# Altium PCB Audio_Blade_Mic_Array.PcbDoc (part 4 of 4)
Units mil, origin at the board's own origin, x right, y up, seen from the top; angles counter-clockwise.
Board outline 3740.16 x 3740.16 mil, 6 copper layers (Top Layer, Layer 2, Layer 3, Layer 4, Layer 5, Bottom Layer), stack 63.312 mil thick; 192 components, 134 nets, 726 pads, 1409 vias.
Unrouted connection lines stored in the file: 35.
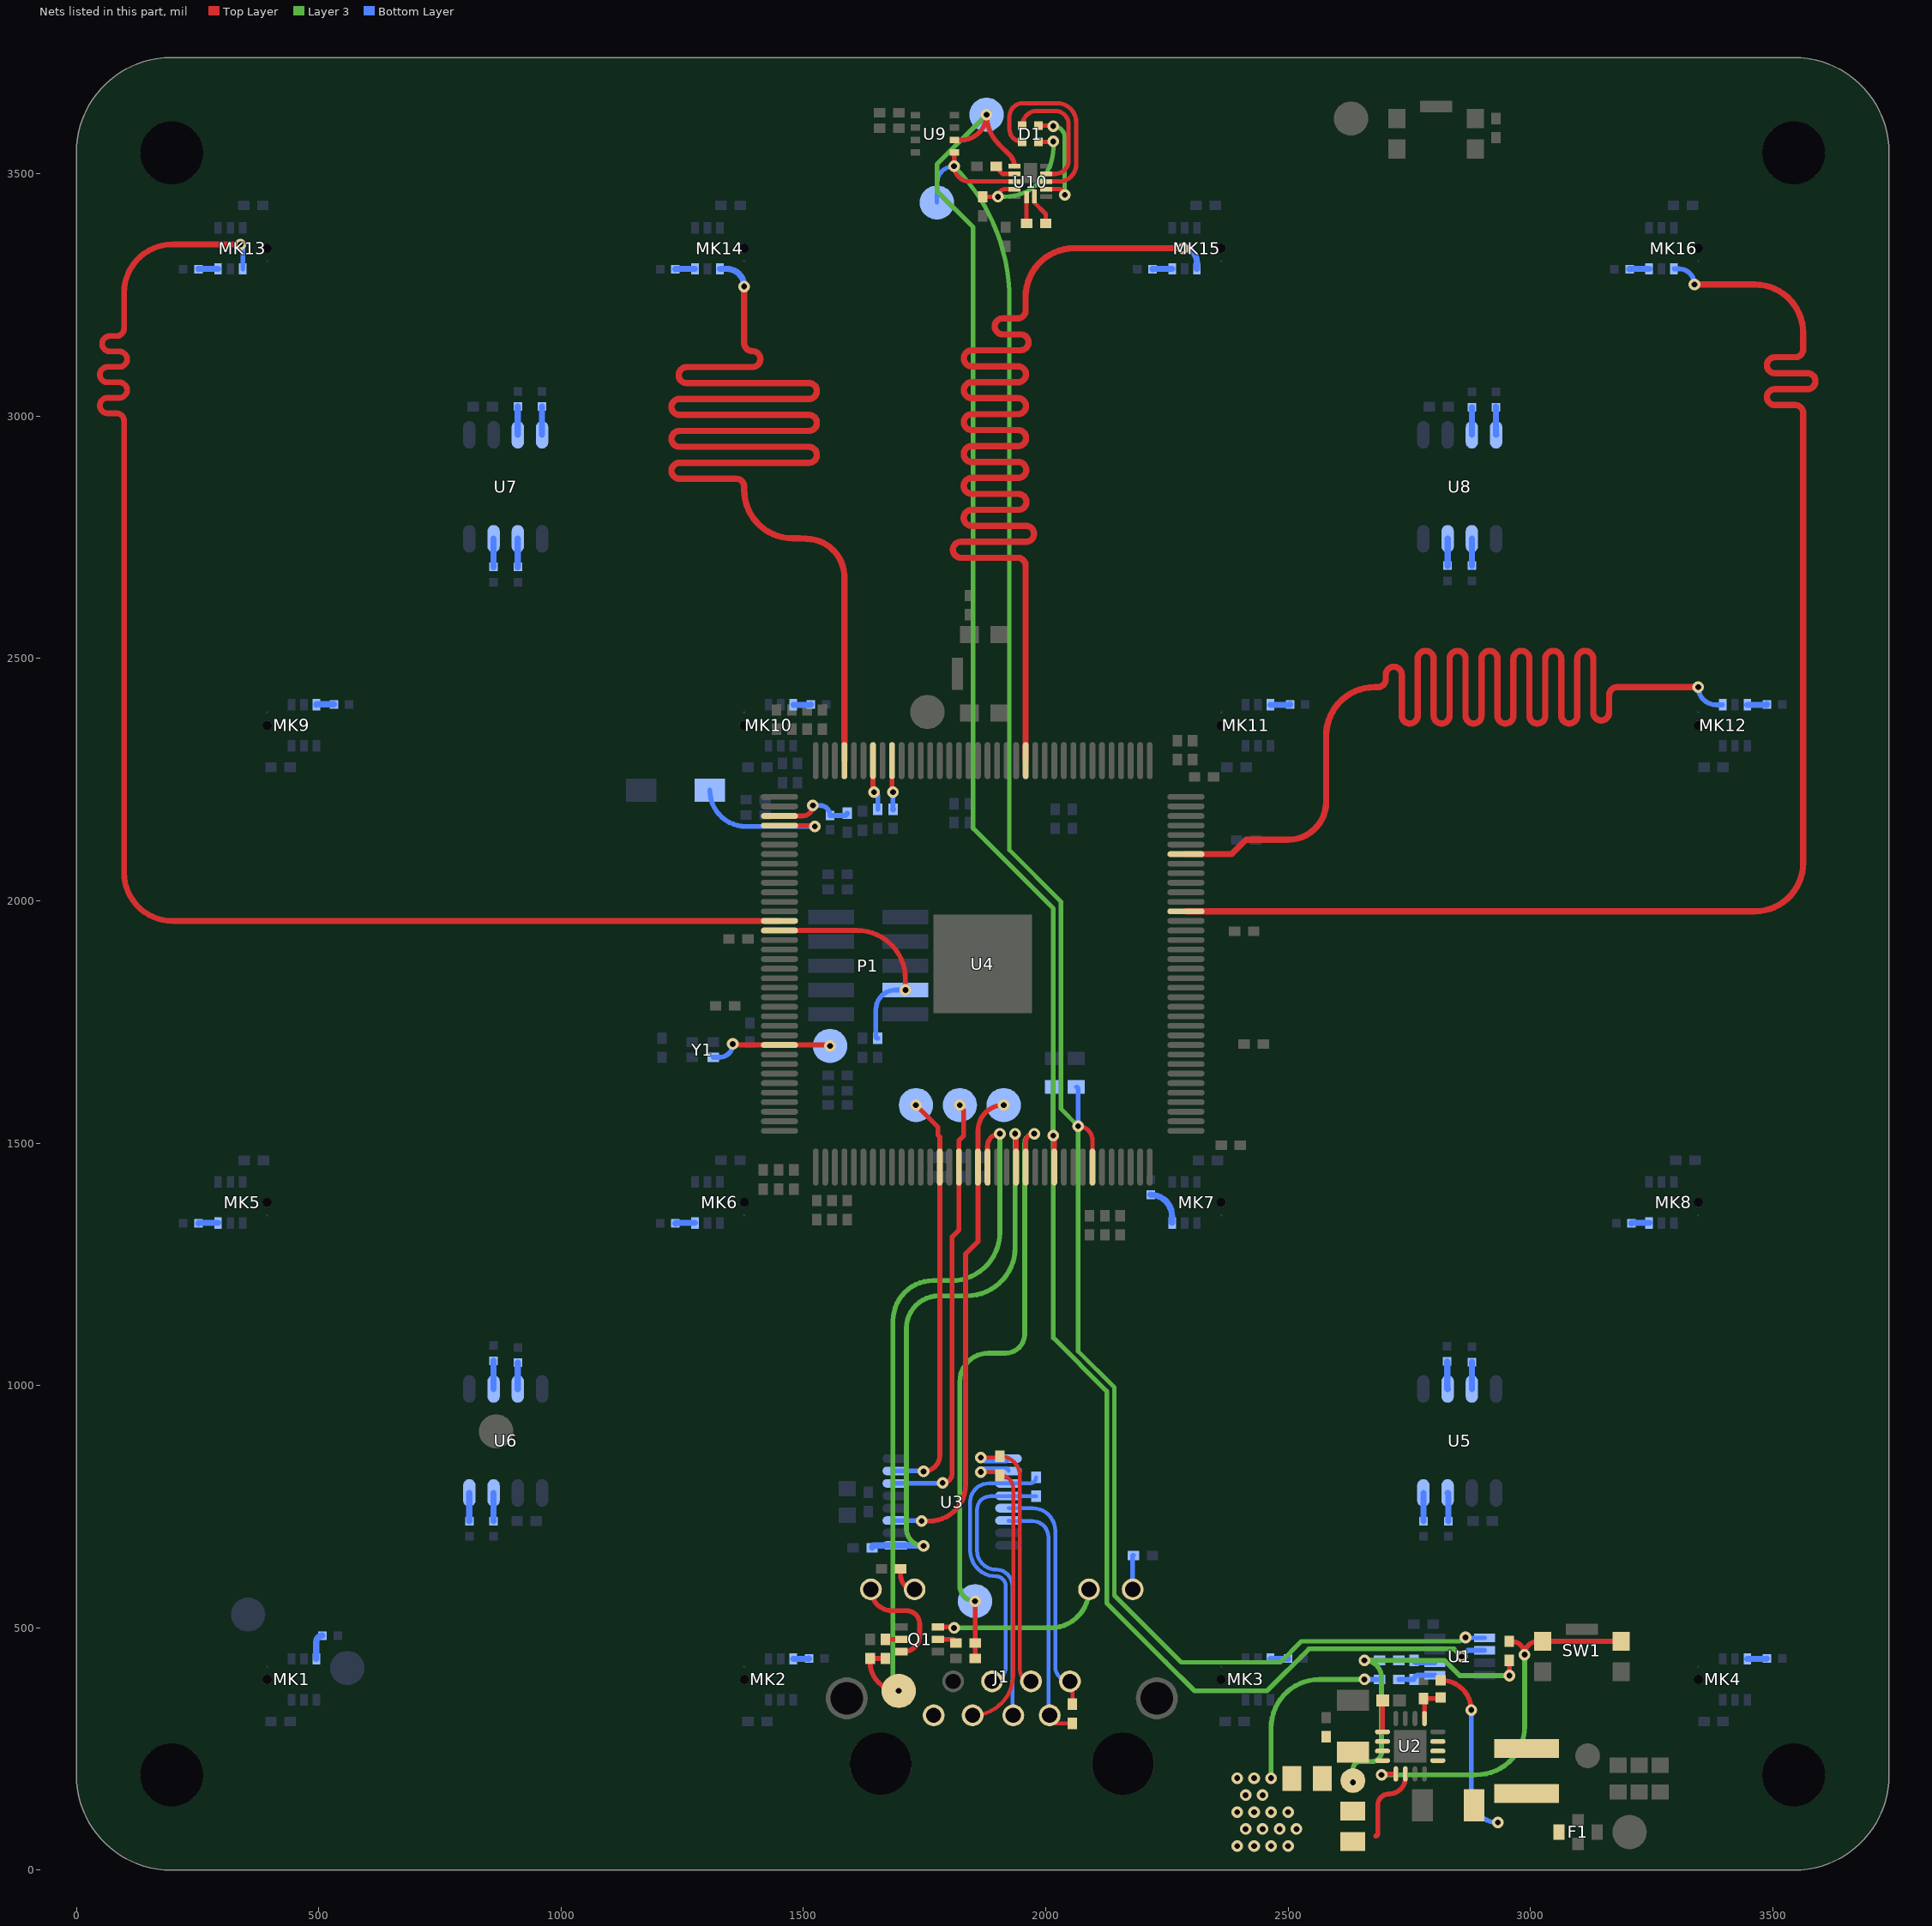
[diagram p8: the nets of this part, all layers, seen from the top]

## Via types
v1: diameter 24, hole 12, Top Layer to Bottom Layer, tented both sides, 1405 vias
v2: diameter 23.62, hole 15.75, Top Layer to Bottom Layer, tented both sides, 3 vias
v3: diameter 24, hole 12, Top Layer to Bottom Layer, 1 vias

## Nets (pads, with @x,y where several pads share a name; then routed paths per layer and width w, separated by ;. In a path a pad name is that pad's centre, name@x,y a point inside that pad or via, vN(x,y) a via of type N, cw(c..) or ccw(c..) an arc to the next point about the centre after c; other vN are vias at no path point) (continued)
MIC_WS_12: MK12.5 U4.102 | length 3188.1
  Top Layer w12.92: U4.102@2289.37,2096.46 2383.86,2096.46 2413.39,2125.98 2500,2125.98 ccw(c2500,2204.72) 2578.74,2204.72 2578.74,2340.94 cw(c2678.74,2340.94) 2678.74,2440.94 2685.2,2440.94 ccw(c2685.2,2457.41) 2701.66,2457.41 2701.66,2466.6 cw(c2718.12,2466.6) 2734.58,2466.6 2734.58,2382.41 ccw(c2751.05,2382.41) 2767.51,2382.41 2767.51,2499.48 cw(c2783.97,2499.48) 2800.43,2499.48 2800.43,2382.41 ccw(c2816.89,2382.41) 2833.35,2382.41 2833.35,2499.48 cw(c2849.81,2499.48) 2866.27,2499.48 2866.27,2382.41 ccw(c2882.73,2382.41) 2899.19,2382.41 2899.19,2499.48 cw(c2915.66,2499.48) 2932.12,2499.48 2932.12,2382.41 ccw(c2948.58,2382.41) 2965.04,2382.41 2965.04,2499.48 cw(c2981.5,2499.48) 2997.96,2499.48 2997.96,2382.41 ccw(c3014.42,2382.41) 3030.88,2382.41 3030.88,2499.48 cw(c3047.34,2499.48) 3063.8,2499.48 3063.8,2382.41 ccw(c3080.27,2382.41) 3096.73,2382.41 3096.73,2499.48 cw(c3113.19,2499.48) 3129.65,2499.48 3129.65,2388.77 ccw(c3146.11,2388.77) 3162.57,2388.77 3162.57,2424.48 cw(c3179.03,2424.48) 3179.03,2440.94 3208.66,2440.94 v1(3346.46,2440.94)
  Bottom Layer w10: v1(3346.46,2440.94) ccw(c3382.87,2440.94) 3382.87,2404.53 MK12.5@3396.65,2404.53
MIC_WS_13: MK13.5 U4.14 | length 3188.9
  Top Layer w11.85: v1(338.58,3354.33) 198.43,3354.33 ccw(c198.43,3254.33) 98.43,3254.33 98.43,3208.66 98.43,3181.3 cw(c82.5,3181.3) 82.5,3165.38 69.15,3165.38 ccw(c69.15,3149.45) 69.15,3133.52 88.78,3133.52 cw(c88.78,3117.6) 88.78,3101.67 64.35,3101.67 ccw(c64.35,3085.74) 64.35,3069.81 88.78,3069.81 cw(c88.78,3053.89) 88.78,3037.96 64.35,3037.96 ccw(c64.35,3022.03) 64.35,3006.11 82.5,3006.11 cw(c82.5,2990.18) 98.43,2990.18 98.43,2984.25 98.43,2058.66 ccw(c198.43,2058.66) 198.43,1958.66 U4.14@1450.79,1958.66
  Bottom Layer w10: v1(338.58,3354.33) cw(c338.58,3349.41) 343.5,3349.41 MK13.5@343.5,3304.13
MIC_WS_14: MK14.5 U4.141 | length 3188.1
  Top Layer w12.92: v1(1377.95,3267.72) 1377.95,3177.17 1377.95,3150.79 ccw(c1394.41,3150.79) 1394.41,3134.33 1394.78,3134.33 cw(c1394.78,3117.87) 1394.78,3101.41 1259.22,3101.41 ccw(c1259.22,3084.95) 1259.22,3068.49 1511.49,3068.49 cw(c1511.49,3052.03) 1511.49,3035.56 1244.41,3035.56 ccw(c1244.41,3019.1) 1244.41,3002.64 1511.49,3002.64 cw(c1511.49,2986.18) 1511.49,2969.72 1244.41,2969.72 ccw(c1244.41,2953.26) 1244.41,2936.8 1511.49,2936.8 cw(c1511.49,2920.34) 1511.49,2903.88 1244.41,2903.88 ccw(c1244.41,2887.41) 1244.41,2870.95 1361.49,2870.95 cw(c1361.49,2854.49) 1377.95,2854.49 1377.95,2848.03 ccw(c1477.95,2848.03) 1477.95,2748.03 1492.13,2748.03 cw(c1492.13,2653.54) 1505.73,2747.05 cw(c1505.73,2668.13) 1584.45,2673.64 cw(c1505.73,2668.13) 1584.65,2668.13 U4.141@1584.65,2289.37
  Bottom Layer w12.92: MK14.5@1327.76,3304.13 1341.54,3304.13 cw(c1341.54,3267.72) v1(1377.95,3267.72)
MIC_WS_15: MK15.5 U4.122 | length 3188.1
  Top Layer w12.92: U4.122@1958.66,2289.37 1958.66,2685.04 1958.66,2691.5 ccw(c1942.2,2691.5) 1942.2,2707.96 1825.12,2707.96 cw(c1825.12,2724.42) 1825.12,2740.88 1959.53,2740.88 ccw(c1959.53,2757.34) 1959.53,2773.81 1847.33,2773.81 cw(c1847.33,2790.27) 1847.33,2806.73 1943.75,2806.73 ccw(c1943.75,2823.19) 1943.75,2839.65 1847.37,2839.65 cw(c1847.37,2856.11) 1847.37,2872.57 1943.43,2872.57 ccw(c1943.43,2889.03) 1943.43,2905.49 1847.43,2905.49 cw(c1847.43,2921.95) 1847.43,2938.42 1943.19,2938.42 ccw(c1943.19,2954.88) 1943.19,2971.34 1847.53,2971.34 cw(c1847.53,2987.8) 1847.53,3004.26 1943.01,3004.26 ccw(c1943.01,3020.72) 1943.01,3037.18 1847.59,3037.18 cw(c1847.59,3053.64) 1847.59,3070.1 1942.88,3070.1 ccw(c1942.88,3086.56) 1942.88,3103.03 1847.59,3103.03 cw(c1847.59,3119.49) 1847.59,3135.95 1948.21,3135.95 ccw(c1948.21,3152.41) 1948.21,3168.87 1911.33,3168.87 cw(c1911.33,3185.33) 1911.33,3201.79 1942.2,3201.79 ccw(c1942.2,3218.25) 1958.66,3218.25 1958.66,3246.46 cw(c2058.66,3246.46) 2058.66,3346.46 v1(2283.46,3346.46)
  Bottom Layer w12.92: v1(2283.46,3346.46) cw(c2283.46,3317.91) 2312.01,3317.91 MK15.5@2312.01,3304.13
MIC_WS_16: MK16.5 U4.96 | length 3060.4
  Top Layer w12.92: U4.96@2289.37,1978.35 3462.99,1978.35 ccw(c3462.99,2078.35) 3562.99,2078.35 3562.99,3000 3562.99,3006.46 ccw(c3546.53,3006.46) 3546.53,3022.92 3504.45,3022.92 cw(c3504.45,3039.38) 3504.45,3055.84 3571.79,3055.84 ccw(c3571.79,3072.31) 3571.79,3088.77 3504.45,3088.77 cw(c3504.45,3105.23) 3504.45,3121.69 3546.53,3121.69 ccw(c3546.53,3138.15) 3562.99,3138.15 3562.99,3171.65 ccw(c3462.99,3171.65) 3462.99,3271.65 v1(3338.58,3271.65)
  Bottom Layer w10: MK16.5@3296.26,3304.13 3306.1,3304.13 cw(c3306.1,3271.65) v1(3338.58,3271.65)
NetC2_1: C2.1 R4.2 U1.1 | length 79.9
  Bottom Layer w10: R4.2@2728.35,393.7 C2.1@2759.84,393.7 cw(c2768.7,393.7) 2768.7,402.56 U1.1@2803.15,402.56
NetC2_2: C2.2 R5.2 U1.2 | length 77.6
  Bottom Layer w10: R5.2@2728.35,433.07 C2.2@2759.84,433.07 ccw(c2764.76,433.07) 2764.76,428.15 U1.2@2803.15,428.15
NetC3_2: C3.2 C4.2 R3.1 R5.1 R6.1 R8.2 TP2.1 U2.10 U2.11 U2.12 | length 695.2
  Top Layer w10: v1(2633.86,181.1) TP2.1@2633.86,185.04 ; v3(2956.69,401.57) R8.2@2956.69,433.07
  Layer 3 w10: v1(2633.86,181.1) 2633.86,208.66 cw(c2649.61,208.66) 2649.61,224.41 2673.23,224.41 ccw(c2673.23,244.09) 2692.91,244.09 2692.91,397.64 ccw(c2657.48,397.64) v1(2657.48,433.07) 2822.83,433.07 2854.33,401.57 v3(2956.69,401.57)
  Bottom Layer w10: v1(2657.48,433.07) R5.1@2688.98,433.07
NetC5_2: C5.2 F1.1 L1.2 R3.2 R9.2 U2.14 | length 524.4
  Top Layer w10: 2681.1,70.87 ccw(c2681.1,74.8) 2685.04,74.8 2685.04,133.86 cw(c2708.66,133.86) 2708.66,157.48 ccw(c2708.66,190.94) 2742.13,190.94 U2.14@2742.13,198.82 ; R9.2@2814.96,391.73 2816.92,391.73 cw(c2816.92,330.71) v1(2877.95,330.71)
  Bottom Layer w10: v1@2877.95,330.7 2877.95,153.54 ccw(c2933.07,153.54) v1(2933.07,98.43)
NetC9_2: C9.2 U2.9 | length 65.1
  Top Layer w10: U2.9@2694.88,285.43 2694.88,350 C9.2@2695.28,350.39
NetC57_1: C57.1 R43.2 U4.3 | length 166.7
  Top Layer w10: U4.3@1450.79,2175.2 1498.03,2175.2 ccw(c1498.03,2196.85) v1(1519.68,2196.85)
  Bottom Layer w10: v1(1519.68,2196.85) 1534.45,2196.85 cw(c1534.45,2176.18) R43.2@1555.12,2176.18 1585.63,2176.18 ccw(c1585.63,2181.1) C57.1@1590.55,2181.1
NetC66_1: C66.1 U10.1 | length 65.5
  Top Layer w9: U10.1@1976.38,3453.35 1976.8,3452.93 1976.8,3440.52 2000,3417.32 C66.1@2000,3397.64
NetC66_2: C66.2 U10.12 | length 53.7
  Top Layer w9: C66.2@1960.63,3397.64 U10.12@1960.63,3451.38
NetC68_1: C68.1 D1.4 U10.10 | length 291
  Top Layer w9: C68.1@1870.08,3452.76 v1(1901.57,3452.76) cw(c1917.32,3452.76) 1917.32,3468.5 U10.10@1935.63,3468.5 ; D1.4@1985.24,3565.94 2014.76,3565.94 ccw(c2014.76,3566.93) v1(2015.75,3566.93)
  Layer 3 w9: v1(1901.57,3452.76) 1915.75,3452.76 ccw(c1915.75,3552.76) 2015.75,3552.76 v1(2015.75,3566.93)
NetD1_1: D1.1 U10.4 | length 411.8
  Top Layer w9: D1.1@1951.77,3565.94 cw(c1951.77,3592.52) 1925.2,3592.52 1925.2,3618.11 cw(c1952.76,3618.11) 1952.76,3645.67 2023.62,3645.67 cw(c2023.62,3606.3) 2062.99,3606.3 2062.99,3519.69 cw(c2027.56,3519.69) 2027.56,3484.25 U10.4@2001.38,3484.25
NetD1_2: D1.2 U10.5 | length 265
  Top Layer w9: D1.2@1951.77,3599.41 cw(c1982.28,3599.41) 1982.28,3629.92 2019.68,3629.92 cw(c2019.68,3602.36) 2047.24,3602.36 2047.24,3527.56 cw(c2019.68,3527.56) 2019.68,3500 U10.5@2001.38,3500
NetD1_3: D1.3 U10.3 | length 231
  Top Layer w9: D1.3@1985.24,3599.41 2014.76,3599.41 cw(c2014.76,3598.43) v1(2015.75,3598.43) ; U10.3@2001.38,3468.5 2027.56,3468.5 cw(c2027.56,3456.69) v1(2039.37,3456.69)
  Layer 3 w9: v1(2015.75,3598.43) cw(c2015.75,3574.8) 2039.37,3574.8 v1(2039.37,3456.69)
NetFB1_2: FB1.2 U4.4 | length 333.2
  Top Layer w10: U4.4@1450.79,2155.51 1521.65,2155.51 cw(c1521.65,2153.54) v1(1523.62,2153.54)
  Bottom Layer w10: FB1.2@1307.09,2228.35 ccw(c1381.89,2228.35) 1381.89,2153.54 v1(1523.62,2153.54)
NetJ1_9: J1.9 R7.1 | length 71
  Bottom Layer w10: J1.9@2179.53,579.53 2179.53,648.03 cw(c2181.1,648.03) R7.1@2181.1,649.61
NetJ1_10: J1.10 Q1.6 | length 358.3
  Top Layer w10: Q1.6@1777.56,501.97 1809.05,501.97 cw(c1809.05,500) v1(1811.02,500)
  Layer 3 w10: v1(1811.02,500) 2009.84,500 ccw(c2009.84,579.53) J1.10@2089.37,579.53
NetJ1_11: J1.11 R10.1 | length 58.9
  Top Layer w10: R10.1@1700.79,622.05 1700.79,608.27 ccw(c1729.53,608.27) J1.11@1729.53,579.53
NetJ1_12: J1.12 Q1.3 | length 221.8
  Top Layer w10: J1.12@1639.37,579.53 ccw(c1683.46,579.53) 1683.46,535.43 1712.6,535.43 cw(c1712.6,507.87) 1740.16,507.87 1740.16,484.25 cw(c1706.69,484.25) 1706.69,450.79 Q1.3@1702.76,450.79
NetL1_1: L1.1 U2.1 U2.2 U2.3
NetMK1_7: MK1.7 R44.2 | length 55.5
  Bottom Layer w12.92: MK1.7@495.08,436.02 495.08,471.46 cw(c507.87,471.46) R44.2@507.87,484.25
NetMK2_7: MK2.7 R45.2 | length 33
  Bottom Layer w12.92: MK2.7@1479.33,436.02 1510.83,436.02 ccw(c1510.83,437.01) R45.2@1511.81,437.01
NetMK3_7: MK3.7 R46.2 | length 37
  Bottom Layer w12.92: MK3.7@2463.58,436.02 2499.02,436.02 ccw(c2499.02,437.01) R46.2@2500,437.01
NetMK4_7: MK4.7 R47.2 | length 40.9
  Bottom Layer w11.85: R47.2@3487.2,436.02 ccw(c3487.2,437.01) R47.2@3488.19,437.01
  Bottom Layer w12.92: MK4.7@3447.83,436.02 R47.2@3487.2,436.02
NetMK5_7: MK5.7 R48.2 | length 40.9
  Bottom Layer w12.92: R48.2@251.97,1334.65 cw(c252.95,1334.65) 252.95,1335.63 MK5.7@292.32,1335.63
NetMK6_7: MK6.7 R49.2 | length 40.6
  Bottom Layer w12.92: R49.2@1236.22,1334.65 cw(c1238.6,1332.27) 1238.6,1335.63 MK6.7@1276.57,1335.63
NetMK7_7: MK7.7 R50.2 | length 83.4
  Bottom Layer w12.92: R50.2@2216.54,1393.7 cw(c2216.54,1349.41) 2260.83,1349.41 MK7.7@2260.83,1335.63
NetMK8_7: MK8.7 R51.2 | length 37
  Bottom Layer w12.92: R51.2@3208.66,1334.65 cw(c3209.65,1334.65) 3209.65,1335.63 MK8.7@3245.08,1335.63
NetMK9_7: MK9.7 R52.2 | length 37
  Bottom Layer w11.85: MK9.7@495.08,2404.53 cw(c496.06,2404.53) MK9.7@496.06,2405.51
  Bottom Layer w12.92: MK9.7@496.06,2405.51 R52.2@531.5,2405.51
NetMK10_7: MK10.7 R54.2 | length 37
  Bottom Layer w11.85: MK10.7@1479.33,2404.53 1514.76,2404.53 ccw(c1514.76,2405.51) R54.2@1515.75,2405.51
NetMK11_7: MK11.7 R55.2 | length 40.9
  Bottom Layer w12.92: MK11.7@2463.58,2404.53 2502.95,2404.53 ccw(c2502.95,2405.51) R55.2@2503.94,2405.51
NetMK12_7: MK12.7 R56.2 | length 40.9
  Bottom Layer w12.92: MK12.7@3447.83,2404.53 3487.2,2404.53 ccw(c3487.2,2405.51) R56.2@3488.19,2405.51
NetMK13_7: MK13.7 R57.2 | length 40.9
  Bottom Layer w12.92: R57.2@251.97,3303.15 cw(c252.95,3303.15) 252.95,3304.13 MK13.7@292.32,3304.13
NetMK14_7: MK14.7 R58.2 | length 40.9
  Bottom Layer w12.92: R58.2@1236.22,3303.15 cw(c1237.2,3303.15) 1237.2,3304.13 MK14.7@1276.57,3304.13
NetMK15_7: MK15.7 R59.2 | length 40.9
  Bottom Layer w12.92: R59.2@2220.47,3303.15 cw(c2221.46,3303.15) 2221.46,3304.13 MK15.7@2260.83,3304.13
NetMK16_7: MK16.7 R60.2 | length 40.9
  Bottom Layer w12.92: R60.2@3204.72,3303.15 cw(c3205.71,3303.15) 3205.71,3304.13 MK16.7@3245.08,3304.13
NetP1_7: P1.7 R29.1 U4.15 | length 485.2
  Top Layer w10: U4.15@1450.79,1938.98 1610.63,1938.98 cw(c1610.63,1838.98) 1710.63,1838.98 v1(1710.63,1816.14)
  Bottom Layer w10: R29.1@1653.54,1716.54 cw(c1653.54,1720.47) 1649.61,1720.47 1649.61,1775.59 cw(c1690.16,1775.59) 1690.16,1816.14 v1(1710.63,1816.14)
NetQ1_2: Q1.2 R2.1 | length 33.5
  Top Layer w10: R2.1@1669.29,476.38 Q1.2@1702.76,476.38
NetQ1_5: Q1.5 R13.1 | length 41.9
  Top Layer w10: Q1.5@1777.56,476.38 1807.09,476.38 cw(c1807.09,468.5) R13.1@1814.96,468.5
NetR1_1: R1.1 R2.2 TP10.1 U4.55 | length 1514.1
  Top Layer w10: R2.2@1669.29,437.01 R1.1@1637.8,437.01 1637.8,429.13 ccw(c1696.85,429.13) v1(1696.85,370.08) ; U4.55@1879.92,1450.79 1879.92,1494.09 cw(c1905.51,1494.09) v1(1905.51,1519.68)
  Layer 3 w10: v1(1696.85,370.08) cw(c1696.85,381.89) 1685.04,381.89 1685.04,1133.86 cw(c1767.72,1133.86) 1767.72,1216.54 1805.51,1216.54 ccw(c1805.51,1316.54) 1905.51,1316.54 v1(1905.51,1519.68)
NetR8_1: R8.1 SW1.1 SW1.4 U2.13 | length 792.2
  Top Layer w10: v1(2692.91,196.85) cw(c2697.67,192.1) 2697.67,198.82 U2.13@2722.44,198.82 ; R8.1@2956.69,472.44 2960.63,472.44 cw(c2960.63,444.88) v1(2988.19,444.88) cw(c3015.75,444.88) 3015.75,472.44 SW1.1@3025.59,472.44 SW1.4@3187.01,472.44
  Layer 3 w10: v1(2692.91,196.85) 2888.19,196.85 ccw(c2888.19,296.85) 2988.19,296.85 v1(2988.19,444.88)
NetR9_1: R9.1 R11.2 U2.5 | length 78.4
  Top Layer w10: U2.5@2781.5,312.99 2781.5,352.36 R11.2@2779.53,354.33 2812.99,354.33 R9.1@2814.96,356.3
NetR13_2: R13.2 R15.2 TP11.1 U4.59 | length 1282.5
  Top Layer w10: R15.2@1854.33,437.01 R13.2@1854.33,468.5 v1(1854.33,555.12) ; U4.59@1958.66,1450.79 1958.66,1501.97 cw(c1976.38,1501.97) v1(1976.38,1519.68)
  Layer 3 w10: v1(1854.33,555.12) cw(c1854.33,586.61) 1822.83,586.61 1822.83,1007.87 cw(c1881.89,1007.87) 1881.89,1066.93 1917.32,1066.93 ccw(c1917.32,1106.3) 1956.69,1106.3 1956.69,1500 cw(c1976.38,1500) v1(1976.38,1519.68)
NetR17_2: R17.2 U3.9 U4.58 | length 1203.1
  Top Layer w10: v1(1937.01,1519.68) cw(c1937.01,1517.72) 1938.98,1517.72 U4.58@1938.98,1450.79
  Layer 3 w10: v1(1748.03,669.29) cw(c1748.03,704.72) 1712.6,704.72 1712.6,1118.11 cw(c1779.53,1118.11) 1779.53,1185.04 1837.01,1185.04 ccw(c1837.01,1285.04) 1937.01,1285.04 v1(1937.01,1519.68)
  Bottom Layer w12.92: R17.2@1641.73,665.35 cw(c1646.65,665.35) 1646.65,670.28 U3.9@1690.94,670.28 1747.05,670.28 cw(c1747.05,669.29) v1(1748.03,669.29)
NetR19_1: R19.1 U4.136 | length 101.5
  Top Layer w10: U4.136@1683.07,2289.37 1683.07,2226.38 ccw(c1685.04,2226.38) v1(1685.04,2224.41)
  Bottom Layer w10: R19.1@1685.04,2188.98 v1(1685.04,2224.41)
NetR20_1: R20.1 U4.138 | length 106
  Top Layer w10: v1@1643.7,2226.38 U4.138@1643.7,2289.37
  Top Layer w12.92: v1@1643.7,2226.38 ccw(c1645.67,2226.38) v1(1645.67,2224.41)
  Bottom Layer w10: v1(1645.67,2224.41) cw(c1645.67,2216.54) 1653.54,2216.54 R20.1@1653.54,2188.98
NetR22_2: R22.2 U5.2 | length 57.3
  Bottom Layer w12.92: R22.2@2828.05,1049.9 2828.69,1049.26 2828.69,993.75 U5.2@2829.33,993.11
NetR23_2: R23.2 U5.3 | length 55.5
  Bottom Layer w12.92: U5.3@2879.33,993.11 R23.2@2879.33,1048.62
NetR24_2: R24.2 U5.7 | length 58.9
  Bottom Layer w12.92: U5.7@2829.33,778.54 cw(c2829.33,777.17) 2830.71,777.17 R24.2@2830.71,720.47
NetR25_2: R25.2 U5.8 | length 58.3
  Bottom Layer w12.92: U5.8@2779.33,778.54 2779.53,778.54 R25.2@2779.53,720.47
NetR26_2: R26.2 U6.2 | length 58.1
  Bottom Layer w12.92: U6.2@860.83,993.11 R26.2@860.83,1051.18
NetR30_2: R30.2 U6.3 | length 54.1
  Bottom Layer w12.92: U6.3@910.83,993.11 R30.2@910.83,1047.24
NetR31_2: R31.2 U6.7 | length 58.1
  Bottom Layer w12.92: R31.2@860.83,720.47 U6.7@860.83,778.54
NetR32_2: R32.2 U6.8 | length 58.1
  Bottom Layer w12.92: R32.2@810.83,720.47 U6.8@810.83,778.54
NetR33_2: R33.2 U7.2 | length 58.1
  Bottom Layer w12.92: R33.2@910.83,2688.98 U7.2@910.83,2747.05
NetR34_2: R34.2 U7.3 | length 58.1
  Bottom Layer w12.92: R34.2@860.83,2688.98 U7.3@860.83,2747.05
NetR35_2: R35.2 U7.7 | length 58.1
  Bottom Layer w12.92: U7.7@910.83,2961.61 R35.2@910.83,3019.68
NetR36_2: R36.2 U7.8 | length 58.1
  Bottom Layer w12.92: U7.8@960.83,2961.61 R36.2@960.83,3019.68
NetR37_2: R37.2 U8.2 | length 55.5
  Bottom Layer w12.92: R37.2@2879.33,2691.54 U8.2@2879.33,2747.05
NetR38_2: R38.2 U8.3 | length 55.5
  Bottom Layer w12.92: R38.2@2829.33,2691.54 U8.3@2829.33,2747.05
NetR39_2: R39.2 U8.7 | length 56.7
  Bottom Layer w12.92: U8.7@2879.33,2961.61 R39.2@2879.33,3018.31
NetR40_2: R40.2 U8.8 | length 58.3
  Bottom Layer w12.92: R40.2@2929.13,3019.68 2929.13,2961.61 U8.8@2929.33,2961.61
NetR53_2: R53.2 U10.8 | length 47.4
  Top Layer w9: R53.2@1897.64,3515.75 1899.61,3515.75 1904.95,3510.41 1904.95,3505.46 1910.41,3500 U10.8@1935.63,3500
NetTP7_1: TP7.1 U4.27 Y1.3 | length 259.1
  Top Layer w10: v1(1354.33,1704.72) ccw(c1356.3,1704.72) 1356.3,1702.76 U4.27@1450.79,1702.76 1553.15,1702.76 cw(c1553.15,1700.79) v1(1555.12,1700.79)
  Bottom Layer w10: Y1.3@1313.98,1677.17 1326.77,1677.17 ccw(c1326.77,1704.72) v1(1354.33,1704.72)
RJ45_SCK: TP4.1 U3.15 U4.50 | length 853
  Top Layer w10: v1(1732.28,1578.74) 1777.81,1533.21 1777.81,1516.43 1781.5,1512.75 U4.50@1781.5,1450.79 1781.5,856.3 cw(c1748.03,856.3) v1(1748.03,822.83)
  Bottom Layer w10: U3.15@1690.94,823.82 1747.05,823.82 cw(c1747.05,822.83) v1(1748.03,822.83)
RJ45_SCK_n: J1.6 R12.2 U3.1 | length 607.1
  Top Layer w7.96: v1(1866.14,851.61) 1902.8,851.61 ccw(c1902.8,854.33) R12.2@1905.51,854.33 cw(c1905.51,812.81) 1947.03,812.81 1947.03,767.58 1947.03,412.42 ccw(c1969.68,412.42) J1.6@1969.68,389.76
  Bottom Layer w7.96: v1(1866.14,851.61) ccw(c1874.16,851.61) 1874.16,843.59 1917.41,843.59 ccw(c1917.41,849.41) U3.1@1923.23,849.41
RJ45_SCK_p: J1.3 R12.1 U3.2 | length 667
  Top Layer w7.96: J1.3@1849.21,319.69 ccw(c1849.21,403.54) 1933.07,403.54 1933.07,787.4 ccw(c1905.51,787.4) R12.1@1905.51,814.96 ccw(c1898.86,814.96) 1898.86,821.61 v1(1866.14,821.61)
  Bottom Layer w7.96: v1(1866.14,821.61) cw(c1874.16,821.61) 1874.16,829.63 1917.41,829.63 cw(c1917.41,823.82) U3.2@1923.23,823.82
RJ45_SDI: TP5.1 U3.14 U4.52 | length 900.8
  Top Layer w10: v1(1787.4,799.21) ccw(c1787.4,818.9) 1807.09,818.9 1807.09,1307.09 1820.87,1320.87 U4.52@1820.87,1450.79 1820.87,1505.81 1830.71,1515.65 1830.71,1567.08 1822.83,1574.95 v1(1822.83,1578.74)
  Bottom Layer w10: U3.14@1690.94,798.23 1786.42,798.23 ccw(c1786.42,799.21) v1(1787.4,799.21)
RJ45_SDI_n: J1.5 R14.1 U3.4 | length 606
  Bottom Layer w7.96: J1.5@1933.07,319.69 cw(c1933.07,321.47) 1931.28,321.47 1931.28,586.61 ccw(c1897.64,586.61) 1897.64,620.26 cw(c1897.64,659.63) 1858.27,659.63 1858.27,744.09 cw(c1885.83,744.09) 1885.83,771.65 1922.24,771.65 ccw(c1922.24,772.64) U3.4@1923.23,772.64 ccw(c1924.21,772.64) 1924.21,771.65 R14.1@1980.32,771.65
RJ45_SDI_p: J1.4 R14.2 U3.3 | length 593
  Bottom Layer w7.96: J1.4@1889.37,389.76 ccw(c1889.37,417.72) 1917.32,417.72 1917.32,586.61 ccw(c1897.64,586.61) 1897.64,606.3 cw(c1897.64,659.63) 1844.31,659.63 1844.31,759.93 cw(c1882.6,759.93) 1882.6,798.23 U3.3@1923.23,798.23 1967.52,798.23 ccw(c1967.52,811.02) R14.2@1980.32,811.02
RJ45_SDO: TP6.1 U3.11 U4.54 | length 1011.5
  Top Layer w10: v1(1744.09,720.47) 1760.24,720.47 ccw(c1760.24,794.88) 1834.65,794.88 1834.65,1271.65 1860.24,1297.24 U4.54@1860.24,1450.79 1860.24,1525.59 cw(c1913.39,1525.59) v1(1913.39,1578.74)
  Bottom Layer w10: U3.11@1690.94,721.46 1743.11,721.46 cw(c1743.11,720.47) v1(1744.09,720.47)
RJ45_SDO_n: J1.8 R16.2 U3.5 | length 501.2
  Top Layer w7.96: J1.8@2050,389.76 cw(c2050,384.65) 2055.12,384.65 R16.2@2055.12,342.52
  Bottom Layer w7.96: U3.5@1923.23,747.05 1972.95,747.05 cw(c1972.95,700.31) 2019.69,700.31 2019.68,420.08 ccw(c2050,420.08) J1.8@2050,389.76
RJ45_SDO_p: J1.7 R16.1 U3.6 | length 527.3
  Top Layer w7.96: J1.7@2008.27,319.69 ccw(c2024.8,319.69) 2024.8,303.15 R16.1@2055.12,303.15
  Bottom Layer w7.96: U3.6@1923.23,721.46 ccw(c1924.21,721.46) 1924.21,720.47 1972.44,720.47 cw(c1972.44,687.19) 2005.73,687.19 2005.73,322.23 ccw(c2008.27,322.23) J1.7@2008.27,319.69
SCL: R41.1 TP16.1 U1.5 U4.66 U9.4 U10.9 | length 4362.8
  Top Layer w9: v1(1811.02,3515.75) ccw(c1842.52,3515.75) 1842.52,3484.25 U10.9@1935.63,3484.25 ; v1(2066.93,1535.43) cw(c2066.93,1505.91) 2096.46,1505.91 U4.66@2096.46,1450.79
  Top Layer w10: v1(1811.02,3515.75) 1811.02,3543.31 cw(c1812.01,3543.31) U9.4@1812.01,3544.29
  Layer 3 w9: v1(1811.02,3515.75) cw(c1535.39,3240.11) 1925.2,3240.11 1925.2,2104.72 2031.5,1998.43 2031.5,1570.87 v1(2066.93,1535.43) 2066.93,1070.87 2141.48,996.31 2141.48,567.18 2279.53,429.13 2484.25,429.13 2527.56,472.44 2854.21,472.44 2862.08,480.32 v1(2866.14,480.32)
  Bottom Layer w9: TP16.1@1775.59,3440.94 1775.59,3480.32 cw(c1811.02,3480.32) v1(1811.02,3515.75) ; R41.1@2062.99,1616.14 cw(c2062.99,1612.2) 2066.93,1612.2 v1(2066.93,1535.43) ; v1(2866.14,480.32) ccw(c2867.13,480.32) 2867.13,479.33 U1.5@2905.51,479.33
SDA: R42.1 TP15.1 U1.6 U4.62 U9.3 U10.7 | length 4547.7
  Top Layer w10: U9.3@1812.01,3569.88 1825.79,3569.88 ccw(c1825.79,3622.05) v1(1877.95,3622.05) ccw(c1963.5,3622.05) 1903.01,3561.56 1926.3,3538.26 cw(c1903.79,3515.75) U10.7@1935.63,3515.75 ; v1(2015.75,1515.75) 2017.72,1513.78 U4.62@2017.72,1450.79
  Layer 3 w10: v1(1877.95,3622.05) 1775.59,3519.69 1775.59,3464.57 1850.39,3389.76 1850.39,2149.61 2015.75,1984.25 v1(2015.75,1515.75) 2015.75,1098.43 2125.98,988.19 2125.98,551.18 2248.03,429.13 2307.09,370.08 2456.69,370.08 2543.31,456.69 2842.52,456.69 v1(2858.27,440.94)
  Bottom Layer w10: v1(2015.75,1515.75) R42.1@2015.75,1616.14 ; v1(2858.27,440.94) 2871.06,453.74 U1.6@2905.51,453.74
VDD_IN: J1.1 R4.1 R6.2 | length 384.8
  Layer 3 w10: v1(2465,190) 2465,293.7 cw(c2565,293.7) 2565,393.7 v1(2657.48,393.7)
  Bottom Layer w10: v1(2657.48,393.7) R4.1@2688.98,393.7
  other v1: 2395,50 2430,50 2465,50 2500,50 2412.5,85 2447.5,85 2482.5,85 2517.5,85 2395,120 2430,120 2465,120 2500,120 2412.5,155 2447.5,155 2395,190 2430,190
pads on no net: J1.14 MK1.1 MK1.None MK2.1 MK2.None MK3.1 MK3.None MK4.1 MK4.None MK5.1 MK5.None MK6.1 MK6.None MK7.1 MK7.None MK8.1 MK8.None MK9.1 MK9.None MK10.1 MK10.None MK11.1 MK11.None MK12.1 MK12.None MK13.1 MK13.None MK14.1 MK14.None MK15.1 MK15.None MK16.1 MK16.None P1.8 SW1.5 SW2.5 SW3.5 U2.4 U3.7 U3.8 U3.10 U4.5 U4.10 U4.12 U4.13 U4.17 U4.21 U4.22 U4.24 U4.26 U4.28 U4.29 U4.39 U4.44 U4.45 U4.47 U4.48 U4.56 U4.61 U4.64 U4.65 U4.69 U4.70 U4.75 U4.77 U4.79 U4.81 U4.85 U4.86 U4.93 U4.97 U4.99 U4.101 U4.105 U4.110 U4.111 U4.112 U4.113 U4.114 U4.118 U4.120 U4.123 U4.124 U4.126 U4.127 U4.130 U4.131 U4.132 U4.134 U5.5 U6.5 U7.5 U8.5 Y1.1

## Polygon pours and split planes (outlines as drawn)
GND on Top Layer "GND_Top_Layer_6" (solid, pour order 14): 0,196.85 0,3543.31 cw(c196.85,3543.31) 196.85,3740.16 3543.31,3740.16 cw(c3543.31,3543.31) 3740.16,3543.31 3740.16,196.85 cw(c3543.31,196.85) 3543.31,0 196.85,0 cw(c196.85,196.85)
VDD_IN on Top Layer "VDD_IN_Top_5" (solid, pour order 12): 2531.5,0 2531.5,196.85 ccw(c2492.13,196.85) 2492.13,236.22 2401.57,236.22 ccw(c2401.57,196.85) 2362.2,196.85 2362.2,0
+3V1_SYS on Top Layer "+3V1_SYS_Top_1" (solid, pour order 11): 3122.05,0 3122.05,157.48 cw(c3149.61,157.48) 3149.61,185.04 3417.32,185.04 cw(c3417.32,137.8) 3464.57,137.8 3464.57,0
NetC5_2 on Top Layer "NetC5_2_Top_3" (solid, pour order 10): 2555.12,82.68 2834.65,82.68 2834.65,161.42 cw(c2854.33,161.42) 2854.33,181.1 3051.18,181.1 cw(c3051.18,157.48) 3074.8,157.48 3074.8,0 2543.31,0 2543.31,70.87 cw(c2555.12,70.87)
NetC3_2 on Top Layer "NetC3_2_Top_2" (solid, pour order 9): 2543.31,279.53 2543.31,110.24 ccw(c2559.05,110.24) 2559.06,94.49 2657.48,94.49 ccw(c2657.48,106.3) 2669.29,106.3 2669.29,216.54 2716.54,216.54 2716.54,275.59 2610.24,275.59 cw(c2610.24,287.4) 2598.43,287.4 ccw(c2590.55,287.4) 2590.55,295.28 2559.05,295.28 ccw(c2559.05,279.53)
NetL1_1 on Top Layer "NetL1_Top_4" (solid, pour order 7): 2791.34,275.59 2791.34,216.54 3055.12,216.54 ccw(c3055.12,236.22) 3074.8,236.22 3074.8,259.84 ccw(c3051.18,259.84) 3051.18,283.46 2874.02,283.46 2874.02,275.59
VDD_IN on Layer 3 "VDD_IN_L3_7" (solid, pour order 5): 2492.13,236.22 1905.51,236.22 cw(c1905.51,292.52) 1849.21,292.52 1849.21,349.61 ccw(c1809.06,349.61) 1809.05,389.76 1734.89,389.76 ccw(c1734.89,347.79) 1692.91,347.79 1692.91,0 2543.31,0 2543.31,185.04 ccw(c2492.13,185.04)
+3V1_SYS on Layer 4 "+3V3_SYS_L4_8" (solid, pour order 6): 0,196.85 0,3543.31 cw(c196.85,3543.31) 196.85,3740.16 3543.31,3740.16 cw(c3543.31,3543.31) 3740.16,3543.31 3740.16,196.85 cw(c3543.31,196.85) 3543.31,0 196.85,0 cw(c196.85,196.85)
GND on Bottom Layer "GND_Bottom_9" (solid, remove dead copper, pour order 8): 0,196.85 0,3543.31 cw(c196.85,3543.31) 196.85,3740.16 3543.31,3740.16 cw(c3543.31,3543.31) 3740.16,3543.31 3740.16,196.85 cw(c3543.31,196.85) 3543.31,0 196.85,0 cw(c196.85,196.85)
GND on Layer 2 (split plane): 196.85,3720.06 3543.31,3720.06 3544,3720.13 3554.87,3719.77 3566.39,3718.64 3577.81,3716.75 3589.08,3714.13 3600.15,3710.77 3610.98,3706.69 3621.52,3701.91 3631.73,3696.46 3641.56,3690.35 3650.96,3683.61 3659.91,3676.27 3668.36,3668.36 3676.27,3659.91 3683.61,3650.96 3690.35,3641.56 3696.46,3631.73 3701.91,3621.52 3706.69,3610.98 3710.77,3600.15 3714.13,3589.08 3716.75,3577.81 3718.64,3566.39 3719.77,3554.87 3720.13,3544 3720.06,3543.31 3720.06,196.85 3720.13,196.15 3719.77,185.28 3718.64,173.77 3716.75,162.35 3714.13,151.08 3710.77,140.01 3706.69,129.17 3701.91,118.63 3696.46,108.43 3690.35,98.6 3683.61,89.19 3676.27,80.25 3668.36,71.8 3659.91,63.89 3650.96,56.55 3641.56,49.81 3631.73,43.7 3621.52,38.24 3610.98,33.47 3600.15,29.39 3589.08,26.03 3577.81,23.4 3566.39,21.52 3554.87,20.38 3544,20.03 3543.31,20.1 196.85,20.1 196.15,20.03 185.28,20.38 173.77,21.52 162.35,23.4 151.08,26.03 140.01,29.39 129.17,33.47 118.63,38.24 108.43,43.7 98.6,49.81 89.19,56.55 80.25,63.89 71.8,71.8 63.89,80.25 56.55,89.19 49.81,98.6 43.7,108.43 38.24,118.63 33.47,129.17 29.39,140.01 26.03,151.08 23.4,162.35 21.52,173.77 20.38,185.28 20.03,196.15 20.1,196.85 20.1,3543.31 20.03,3544 20.38,3554.87 21.52,3566.39 23.4,3577.81 26.03,3589.08 29.39,3600.15 33.47,3610.98 38.24,3621.52 43.7,3631.73 49.81,3641.56 56.55,3650.96 63.89,3659.91 71.8,3668.36 80.25,3676.27 89.19,3683.61 98.6,3690.35 108.43,3696.46 118.63,3701.91 129.17,3706.69 140.01,3710.77 151.08,3714.13 162.35,3716.75 173.77,3718.64 185.28,3719.77 196.15,3720.13
GND on Layer 5 (split plane): 196.85,3720.06 3543.31,3720.06 3544,3720.13 3554.87,3719.77 3566.39,3718.64 3577.81,3716.75 3589.08,3714.13 3600.15,3710.77 3610.98,3706.69 3621.52,3701.91 3631.73,3696.46 3641.56,3690.35 3650.96,3683.61 3659.91,3676.27 3668.36,3668.36 3676.27,3659.91 3683.61,3650.96 3690.35,3641.56 3696.46,3631.73 3701.91,3621.52 3706.69,3610.98 3710.77,3600.15 3714.13,3589.08 3716.75,3577.81 3718.64,3566.39 3719.77,3554.87 3720.13,3544 3720.06,3543.31 3720.06,196.85 3720.13,196.15 3719.77,185.28 3718.64,173.77 3716.75,162.35 3714.13,151.08 3710.77,140.01 3706.69,129.17 3701.91,118.63 3696.46,108.43 3690.35,98.6 3683.61,89.19 3676.27,80.25 3668.36,71.8 3659.91,63.89 3650.96,56.55 3641.56,49.81 3631.73,43.7 3621.52,38.24 3610.98,33.47 3600.15,29.39 3589.08,26.03 3577.81,23.4 3566.39,21.52 3554.87,20.38 3544,20.03 3543.31,20.1 196.85,20.1 196.15,20.03 185.28,20.38 173.77,21.52 162.35,23.4 151.08,26.03 140.01,29.39 129.17,33.47 118.63,38.24 108.43,43.7 98.6,49.81 89.19,56.55 80.25,63.89 71.8,71.8 63.89,80.25 56.55,89.19 49.81,98.6 43.7,108.43 38.24,118.63 33.47,129.17 29.39,140.01 26.03,151.08 23.4,162.35 21.52,173.77 20.38,185.28 20.03,196.15 20.1,196.85 20.1,3543.31 20.03,3544 20.38,3554.87 21.52,3566.39 23.4,3577.81 26.03,3589.08 29.39,3600.15 33.47,3610.98 38.24,3621.52 43.7,3631.73 49.81,3641.56 56.55,3650.96 63.89,3659.91 71.8,3668.36 80.25,3676.27 89.19,3683.61 98.6,3690.35 108.43,3696.46 118.63,3701.91 129.17,3706.69 140.01,3710.77 151.08,3714.13 162.35,3716.75 173.77,3718.64 185.28,3719.77 196.15,3720.13

## Other copper
Bottom Layer:
  region: 3519.69,2405.51

## Silkscreen, mask and mechanical layers (free items; w line width, h text height)
Top Overlay:
  text "A.B. Microphone Array / flat earth inc - NIH / 01.2020" at 1325.08,2827.04 h100
  text "A.B. Mic Array" at 1325.08,947.12 h50
  text "H. RST" at 3039.21,337.78 h50
Board Outline:
  the board outline again, w5
Board Stack-Up:
  drawing of 601 lines, arcs and shapes, not listed
  text "Layer" at 4083.56,6406.3 h60
  text "Name" at 4493.48,6406.3 h60
  text "Material" at 5423.22,6406.3 h60
  text "Thickness" at 6282.99,6406.3 h60
  text "Constant" at 6932.82,6406.3 h60
  text "Board Layer Stack" at 7502.68,6406.3 h60
  text "Top Overlay" at 4493.48,6286.3 h60
  text "Top Solder" at 4493.48,6166.3 h60
  text "Solder Resist" at 5423.22,6166.3 h60
  text "0.40mil" at 6282.99,6166.3 h60
  text "3.5" at 6932.82,6166.3 h60
  text "1" at 4083.56,6046.3 h60
  text "Top Layer" at 4493.48,6046.3 h60
  text "Copper" at 5423.22,6046.3 h60
  text "1.40mil" at 6282.99,6046.3 h60
  text "Dielectric 1" at 4493.48,5926.3 h60
  text "PP-016" at 5423.22,5926.3 h60
  text "9.00mil" at 6282.99,5926.3 h60
  text "4.09" at 6932.82,5926.3 h60
  text "2" at 4083.56,5806.3 h60
  text "Layer 2" at 4493.48,5806.3 h60
  text "Copper" at 5423.22,5806.3 h60
  text "1.38mil" at 6282.99,5806.3 h60
  text "Dielectric 2" at 4493.48,5686.3 h60
  text "Core-032" at 5423.22,5686.3 h60
  text "14.00mil" at 6282.99,5686.3 h60
  text "4.42" at 6932.82,5686.3 h60
  text "3" at 4083.56,5566.3 h60
  text "Layer 3" at 4493.48,5566.3 h60
  text "Copper" at 5423.22,5566.3 h60
  text "1.38mil" at 6282.99,5566.3 h60
  text "Dielectric 5" at 4493.48,5446.3 h60
  text "PP-016" at 5423.22,5446.3 h60
  text "9.00mil" at 6282.99,5446.3 h60
  text "4.09" at 6932.82,5446.3 h60
  text "4" at 4083.56,5326.3 h60
  text "Layer 4" at 4493.48,5326.3 h60
  text "Copper" at 5423.22,5326.3 h60
  text "1.38mil" at 6282.99,5326.3 h60
  text "Dielectric 4" at 4493.48,5206.3 h60
  text "Core-032" at 5423.22,5206.3 h60
  text "14.00mil" at 6282.99,5206.3 h60
  text "4.42" at 6932.82,5206.3 h60
  text "5" at 4083.56,5086.3 h60
  text "Layer 5" at 4493.48,5086.3 h60
  text "Copper" at 5423.22,5086.3 h60
  text "1.38mil" at 6282.99,5086.3 h60
  text "Dielectric 3" at 4493.48,4966.3 h60
  text "PP-016" at 5423.22,4966.3 h60
  text "9.00mil" at 6282.99,4966.3 h60
  text "4.09" at 6932.82,4966.3 h60
  text "6" at 4083.56,4846.3 h60
  text "Bottom Layer" at 4493.48,4846.3 h60
  text "Copper" at 5423.22,4846.3 h60
  text "1.40mil" at 6282.99,4846.3 h60
  text "Bottom Solder" at 4493.48,4726.3 h60
  text "Solder Resist" at 5423.22,4726.3 h60
  text "0.40mil" at 6282.99,4726.3 h60
  text "3.5" at 6932.82,4726.3 h60
  text "Bottom Overlay" at 4493.48,4606.3 h60
Mechanical 15:
  circle w5: c196.85,3543.31 r118.11
  circle w5: c196.85,196.85 r118.11
  circle w5: c3543.31,196.85 r118.11
  circle w5: c3543.31,3543.31 r118.11
Drill Drawing:
  circle w10: c4106.69,1135.83 r33.33
  lines w10: 4073.35,235.83 4106.69,202.5 4140.02,235.83 4106.69,269.17 4073.35,235.83 ; 4073.35,369.17 4090.02,369.17 4106.69,352.5 4123.35,369.17 4140.02,369.17 4123.35,385.83 4140.02,402.5 4123.35,402.5 4106.69,419.17 4090.02,402.5 4073.35,402.5 4090.02,385.83 4073.35,369.17 ; 4073.35,502.5 4140.02,502.5 4140.02,569.17 4073.35,569.17 4073.35,502.5 ; 4073.35,719.17 4140.02,719.17 4106.69,652.5 4073.35,719.17 ; 4073.35,802.5 4106.69,819.17 4140.02,802.5 4123.35,835.83 4140.02,869.17 4106.69,852.5 4073.35,869.17 4090.02,835.83 4073.35,802.5 ; 4073.35,969.17 4090.02,969.17 4090.02,952.5 4123.35,952.5 4123.35,969.17 4140.02,969.17 4140.02,1002.5 4123.35,1002.5 4123.35,1019.17 4090.02,1019.17 4090.02,1002.5 4073.35,1002.5 4073.35,969.17
  lines w15: 4013.56,157.5 15314.39,157.5 ; 4013.56,1207.5 15314.39,1207.5 ; 4564.44,7.5 4564.44,1357.5 ; 5214.26,7.5 5214.26,1357.5 ; 6363.93,7.5 6363.93,1357.5 ; 6869.8,7.5 6869.8,1357.5 ; 7603.61,7.5 7603.61,1357.5 ; 9103.16,7.5 9103.16,1357.5 ; 9693,7.5 9693,1357.5 ; 10438.8,7.5 10438.8,1357.5 ; 11748.41,7.5 11748.41,1357.5 ; 12602.18,7.5 12602.18,1357.5 ; 13935.79,7.5 13935.79,1357.5 ; 4013.56,7.5 15314.39,7.5 15314.39,1357.5 4013.56,1357.5 4013.56,7.5
  text "Symbol" at 4103.56,1252.5 h72
  text "Count" at 4609.44,1252.5 h72
  text "Hole Size" at 5259.26,1252.5 h72
  text "Plated" at 6408.93,1252.5 h72
  text "Hole Type" at 6914.8,1252.5 h72
  text "Drill Layer Pair" at 7648.61,1252.5 h72
  text "Via/Pad" at 9148.16,1252.5 h72
  text "Pad Shape" at 9738,1252.5 h72
  text "Template" at 10483.8,1252.5 h72
  text "Description" at 11793.41,1252.5 h72
  text "Hole Tolerance (+)" at 12647.18,1252.5 h72
  text "Hole Tolerance (-)" at 13980.79,1252.5 h72
  text "2" at 4609.44,1102.5 h60
  text "1.700mm (66.93mil)" at 5259.26,1102.5 h60
  text "PTH" at 6408.93,1102.5 h60
  text "Round" at 6914.8,1102.5 h60
  text "Top Layer - Bottom Layer" at 7648.61,1102.5 h60
  text "Pad" at 9148.16,1102.5 h60
  text "Rounded" at 9738,1102.5 h60
  text "c220h170" at 10483.8,1102.5 h60
  text "2" at 4609.44,952.5 h60
  text "3.250mm (127.95mil)" at 5259.26,952.5 h60
  text "NPTH" at 6408.93,952.5 h60
  text "Round" at 6914.8,952.5 h60
  text "Top Layer - Bottom Layer" at 7648.61,952.5 h60
  text "Pad" at 9148.16,952.5 h60
  text "Rounded" at 9738,952.5 h60
  text "c325hn325" at 10483.8,952.5 h60
  text "3" at 4609.44,802.5 h60
  text "0.400mm (15.75mil)" at 5259.26,802.5 h60
  text "PTH" at 6408.93,802.5 h60
  text "Round" at 6914.8,802.5 h60
  text "Top Layer - Bottom Layer" at 7648.61,802.5 h60
  text "Via" at 9148.16,802.5 h60
  text "Rounded" at 9738,802.5 h60
  text "v60h40m0mx0" at 10483.8,802.5 h60
  text "4" at 4609.44,652.5 h60
  text "3.300mm (129.92mil)" at 5259.26,652.5 h60
  text "NPTH" at 6408.93,652.5 h60
  text "Round" at 6914.8,652.5 h60
  text "Top Layer - Bottom Layer" at 7648.61,652.5 h60
  text "Pad" at 9148.16,652.5 h60
  text "Rounded" at 9738,652.5 h60
  text "c330hn330m335(Tol5-5)" at 10483.8,652.5 h60
  text "0.050mm (1.97mil)" at 12647.18,652.5 h60
  text "0.050mm (1.97mil)" at 13980.79,652.5 h60
  text "12" at 4609.44,502.5 h60
  text "0.800mm (31.50mil)" at 5259.26,502.5 h60
  text "PTH" at 6408.93,502.5 h60
  text "Round" at 6914.8,502.5 h60
  text "Top Layer - Bottom Layer" at 7648.61,502.5 h60
  text "Pad" at 9148.16,502.5 h60
  text "Rounded" at 9738,502.5 h60
  text "c114h80" at 10483.8,502.5 h60
  text "16" at 4609.44,352.5 h60
  text "0.500mm (19.69mil)" at 5259.26,352.5 h60
  text "NPTH" at 6408.93,352.5 h60
  text "Round" at 6914.8,352.5 h60
  text "Top Layer - Bottom Layer" at 7648.61,352.5 h60
  text "Pad" at 9148.16,352.5 h60
  text "Rounded" at 9738,352.5 h60
  text "c50hn50" at 10483.8,352.5 h60
  text "1406" at 4609.44,202.5 h60
  text "0.305mm (12.00mil)" at 5259.26,202.5 h60
  text "PTH" at 6408.93,202.5 h60
  text "Round" at 6914.8,202.5 h60
  text "Top Layer - Bottom Layer" at 7648.61,202.5 h60
  text "Via" at 9148.16,202.5 h60
  text "Rounded" at 9738,202.5 h60
  text "(Mixed)" at 10483.8,202.5 h60
  text "1445 Total" at 4609.44,52.5 h60

## Dimensions
3543.31,196.85 to 4043.31,-47.24 on Dimensions
3543.31,0 to 3543.31,3740.16 on Dimensions
0,196.85 to 3740.16,196.85 on Dimensions

## Text inside footprints (layer, text, board x,y; h text height)
FB1: Mechanical 6 "Land Pattern Adapted for 18um Land Pad Thickness" at 1146.65,2169.29 h3.94 r180
J1: Bottom Overlay "+  -" at 2188.98,519.69 h30; Bottom Overlay "+  -" at 1740.16,519.69 h30; Bottom Overlay "LED1" at 2200.79,472.44 h40; Bottom Overlay "LED2" at 1759.84,476.38 h40; Bottom Overlay "1" at 1728.35,303.15 h30; Bottom Overlay "8" at 2110.24,374.02 h30
P1: Bottom Overlay "1" at 1799.21,1956.69 h50